# Altium PCB SOM_MCU.PcbDoc (part 1 of 4)
Units mil, origin at the board's own origin, x right, y up, seen from the top; angles counter-clockwise.
Board outline 3385.83 x 1811.02 mil, 4 copper layers (Top Layer, Mid-Layer 1, Mid-Layer 3, Bottom Layer); 107 components, 185 nets, 882 pads, 645 vias.
Unrouted connection lines stored in the file: 5.
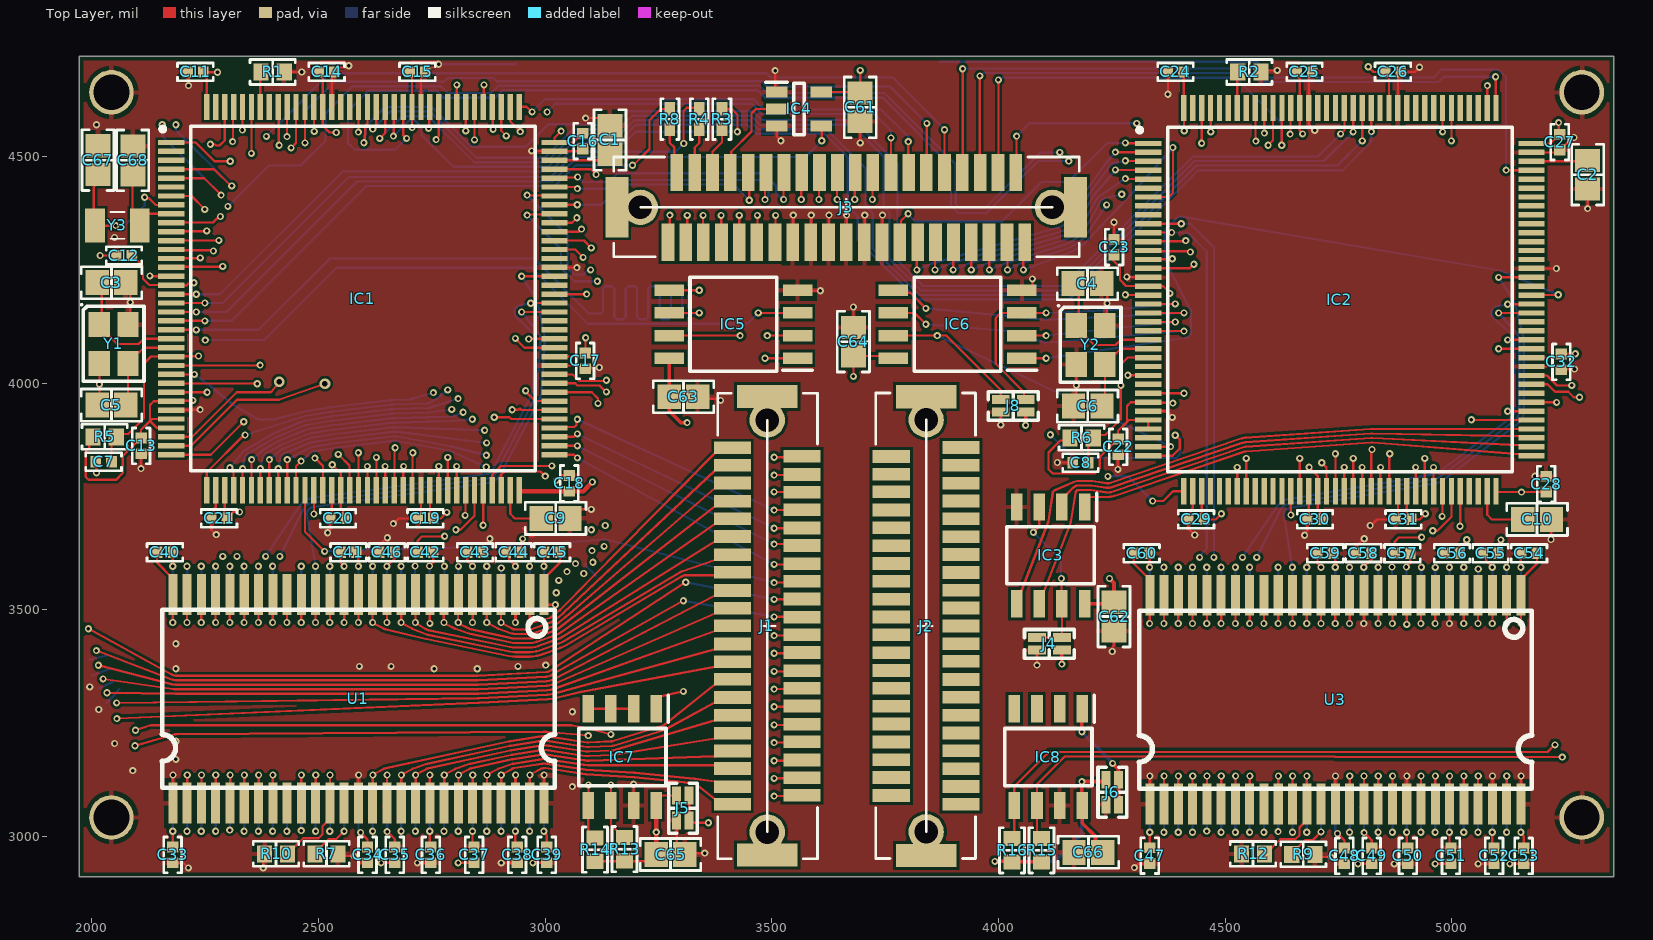
[diagram p0: Top Layer view]
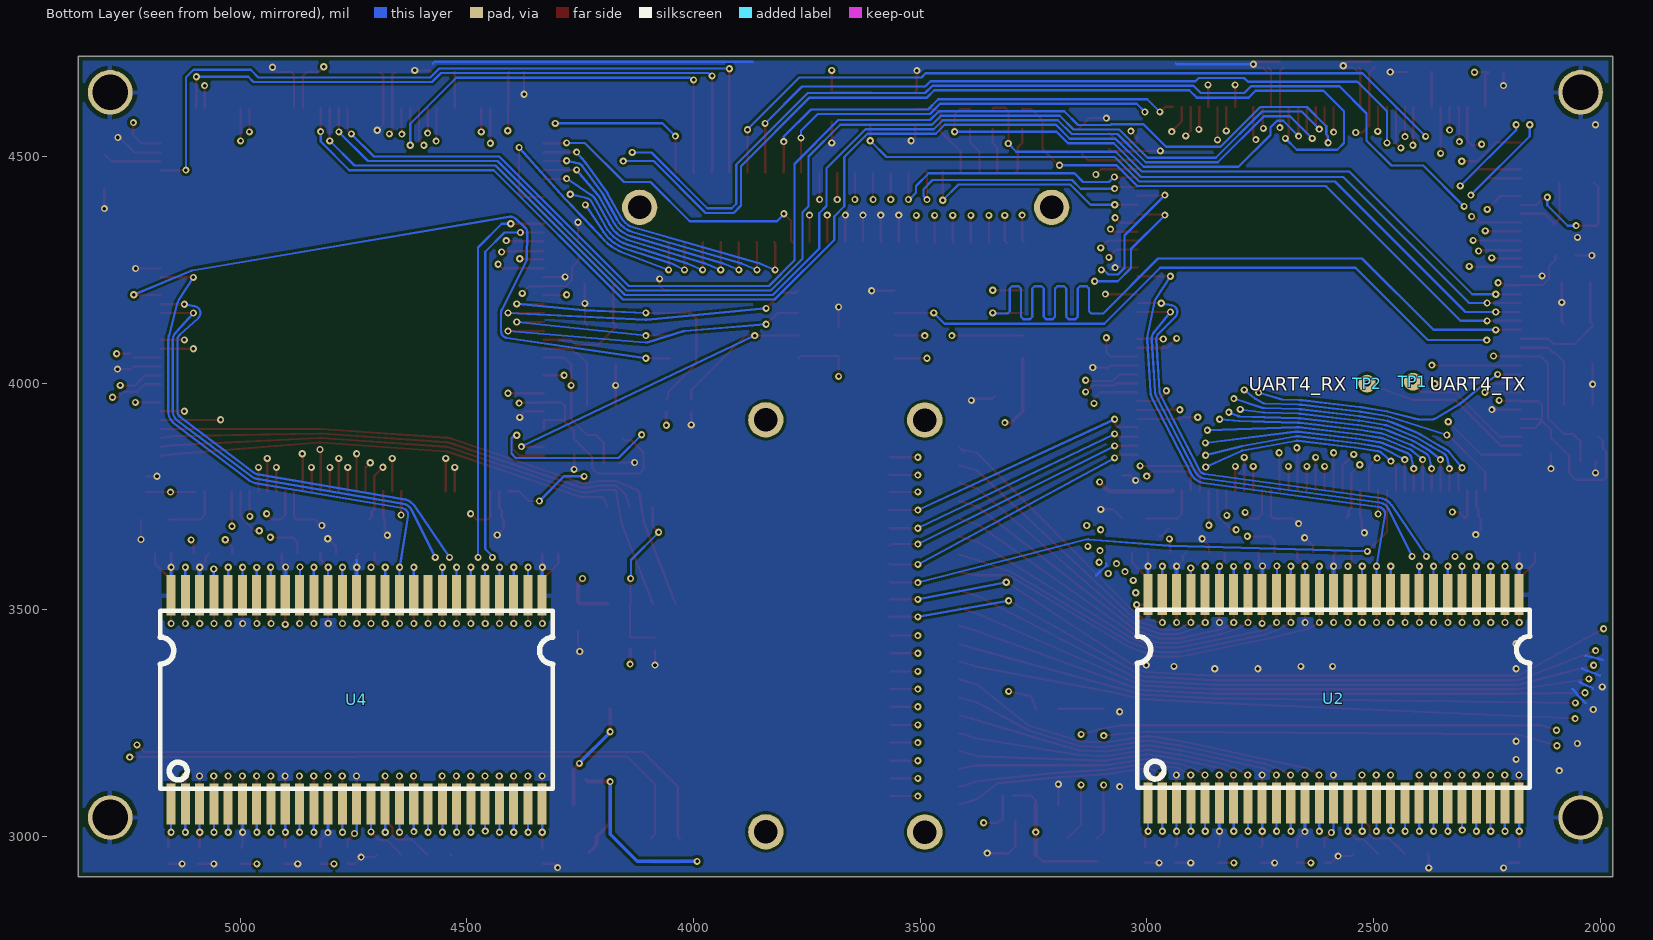
[diagram p1: Bottom Layer view, seen from below]
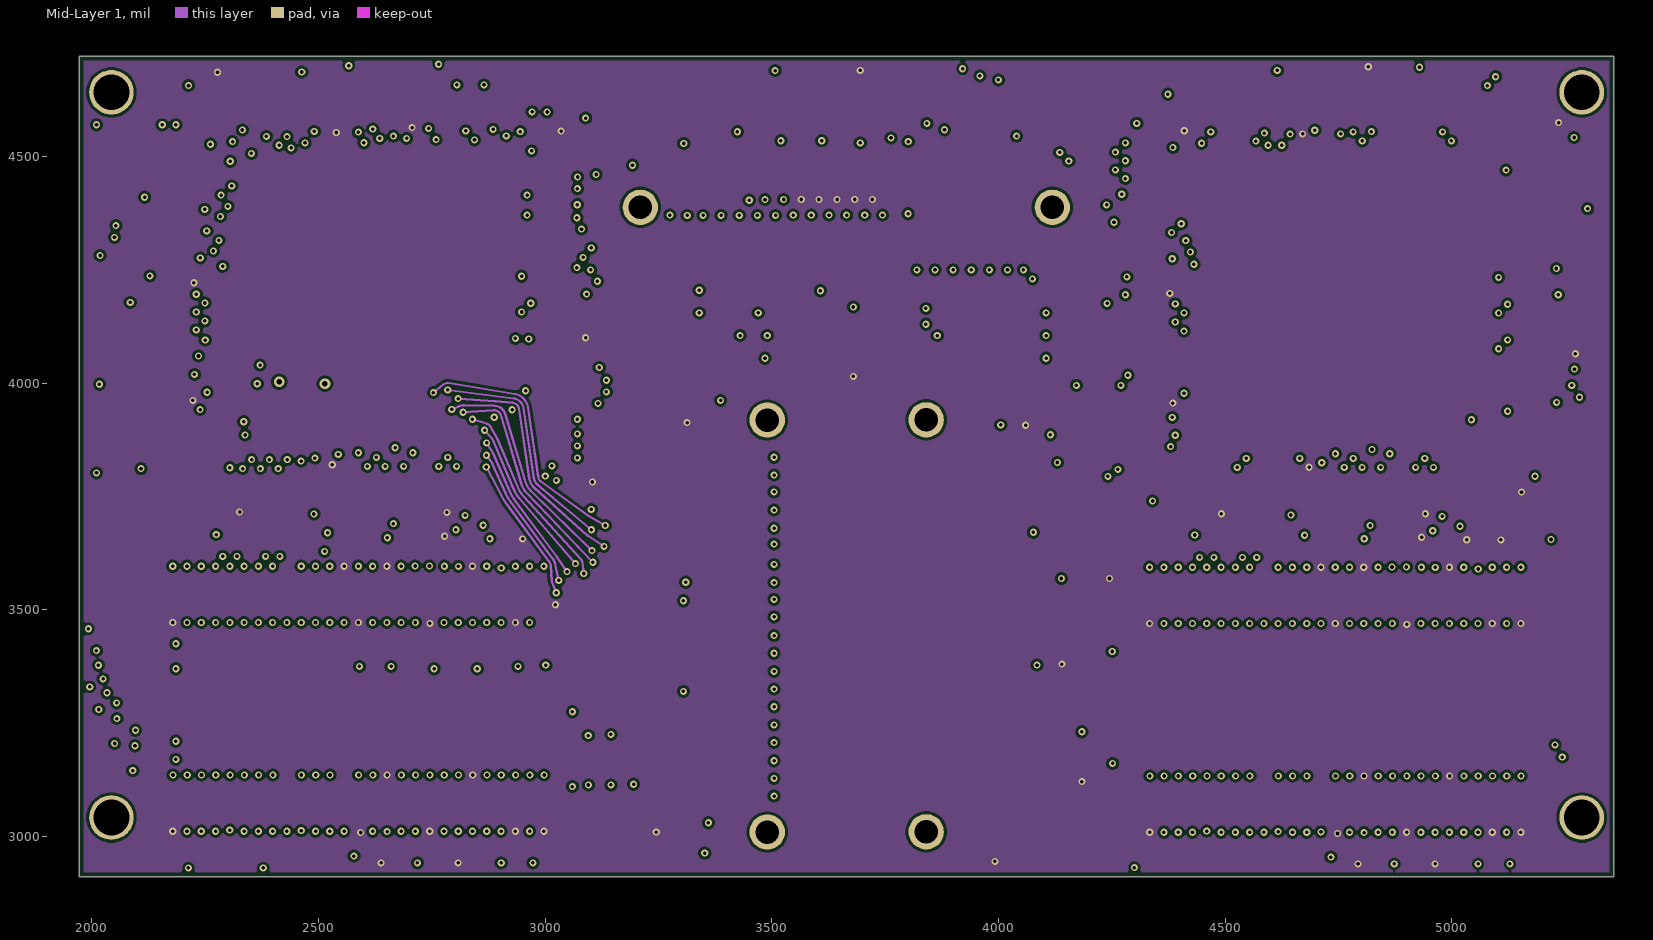
[diagram p2: Mid-Layer 1]
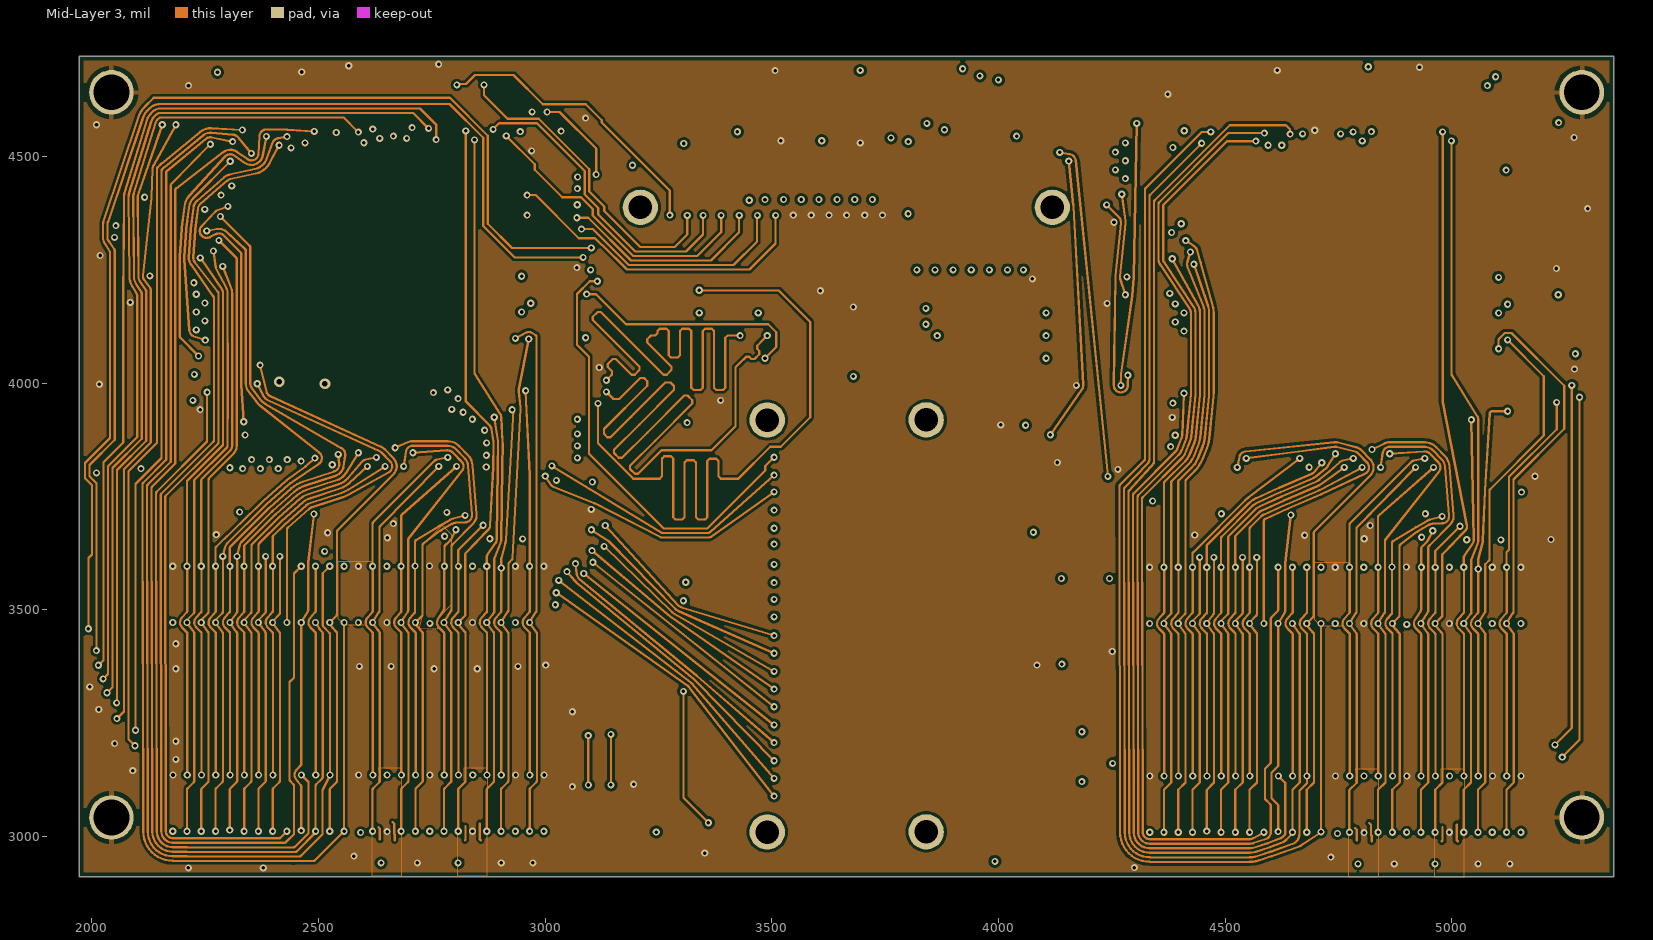
[diagram p3: Mid-Layer 3]
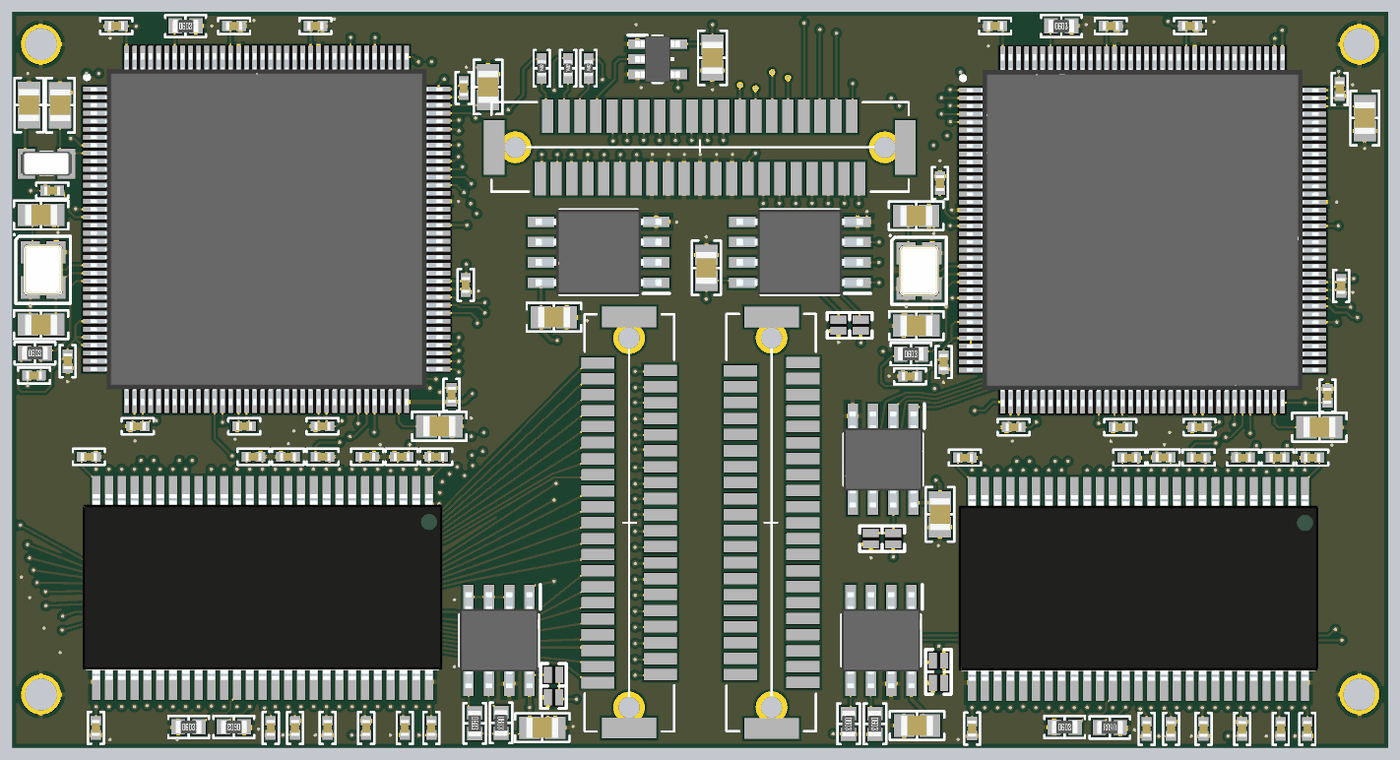
[diagram p7: 3D render of the assembled board from above, using the file's embedded part models]

## Layer stack, top to bottom
Top Solder: solder mask 0.4, Solder Resist, Dk 3.5
Top Layer: signal copper 1.4
Dielectric 1: dielectric 12.6, FR-4, Dk 4.8
Mid-Layer 1: signal copper 1.4
Dielectric3: dielectric 12.6, FR-4, Dk 4.8
Mid-Layer 3: signal copper 1.4
Dielectric2: dielectric 12.6, FR-4, Dk 4.8
Bottom Layer: signal copper 1.4
Bottom Solder: solder mask 0.4, Solder Resist, Dk 3.5

## Board outline
1972.09,2910.59 1972.09,4721.61 5357.91,4721.61 5357.91,2910.59

## Design rules (kind name [scope] priority, off if disabled: settings)
BoardOutlineClearance [All] p1: gap=10 ignorepadtopadclearanceinfootprint=FALSE except(0: Arc-SplitContinuation Track-SplitContinuation SMDPad-SplitContinuation THPad-SplitContinuation Via-SplitContinuation Fill-SplitContinuation Poly-SplitContinuation Region-SplitContinuation Text-SplitContinuation)
Clearance [All] p1: gap=10 ignorepadtopadclearanceinfootprint=TRUE except(5: Arc-Arc Arc-Track Arc-SMDPad Arc-THPad Arc-Via Track-Track Track-SMDPad Track-THPad Track-Via SMDPad-SMDPad SMDPad-THPad SMDPad-Via; 6: Arc-Fill Arc-Poly Arc-Region Track-Fill Track-Poly Track-Region SMDPad-Fill SMDPad-Poly SMDPad-Region THPad-Fill THPad-Poly THPad-Region Via-Fill Via-Poly Via-Region; 7: THPad-Via Text-Text; 7.87: Text-Hole; 8: Arc-Hole Track-Hole SMDPad-Hole; 11: Via-Hole)
ComponentClearance [All] p1 off: gap=10 collisioncheckmode=3 verticalgap=10 showdistances=FALSE
MatchedLengths [InNet(FLASH_D3,FLASH_D2,FLASH_D1,FLASH_D0,FLASH_CLK)] p1: tolerance=393.7 checknetsindiffpair=FALSE checkdiffpairvsdiffpair=TRUE checkxsignals=TRUE checkothers=TRUE
MinimumSolderMaskSliver [All] p1: minsoldermaskwidth=4
PolygonConnect PolygonConnect_2 [All] p1: thpad.connectstyle=Relief thpad.reliefconductorwidth=10 thpad.reliefentries=4 thpad.polygonreliefangle="90 Angle" thpad.airgapwidth=10 smdpad.connectstyle=Relief smdpad.reliefconductorwidth=10 smdpad.reliefentries=4 smdpad.polygonreliefangle="90 Angle" smdpad.airgapwidth=10 via.connectstyle=Direct via.reliefconductorwidth=10 via.reliefentries=4 via.polygonreliefangle="90 Angle" via.airgapwidth=10
PolygonConnect PolygonConnect_1 [All vs InNet('GND')] p2: thpad.connectstyle=Relief thpad.reliefconductorwidth=10 thpad.reliefentries=4 thpad.polygonreliefangle="90 Angle" thpad.airgapwidth=10 smdpad.connectstyle=Relief smdpad.reliefconductorwidth=10 smdpad.reliefentries=4 smdpad.polygonreliefangle="90 Angle" smdpad.airgapwidth=10 via.connectstyle=Direct via.reliefconductorwidth=10 via.reliefentries=4 via.polygonreliefangle="90 Angle" via.airgapwidth=10
PolygonConnect [All vs InNet('+MCU')] p3: thpad.connectstyle=Direct thpad.reliefconductorwidth=10 thpad.reliefentries=4 thpad.polygonreliefangle="90 Angle" thpad.airgapwidth=10 smdpad.connectstyle=Relief smdpad.reliefconductorwidth=10 smdpad.reliefentries=4 smdpad.polygonreliefangle="90 Angle" smdpad.airgapwidth=10 via.connectstyle=Direct via.reliefconductorwidth=10 via.reliefentries=4 via.polygonreliefangle="90 Angle" via.airgapwidth=10
RoutingVias [All] p1: holewidth=7.87 width=15.75 viastyle="Through Hole" minholewidth=7.87 minwidth=15.75 maxholewidth=25 maxwidth=23.62
SilkToSilkClearance [All] p1 off: silktosilkclearance=10
SilkToSolderMaskClearance [IsPad] p1 off: minsilkscreentomaskgap=10 clearancetoexposedcopper=TRUE
SolderMaskExpansion [All] p1: expansion=2 istentingtop=FALSE
Width [All] p1: maxlimit=39.37 minlimit=5 preferedwidth=5
26 further rules are at their usual default settings.

## Classes and differential pairs
net class ADC[1..10]: ADC1 ADC2 ADC3 ADC4 ADC5 ADC6 ADC7 ADC8 ADC9 ADC10
net class D1[0..15]: D10 D11 D12 D13 D14 D15 D16 D17 D18 D19 D110 D111 D112 D113 D114 D115
net class A1[0..11]: A10 A11 A12 A13 A14 A15 A16 A17 A18 A19 A110 A111
net class D[0..15]: D0 D1 D2 D3 D4 D5 D6 D7 D8 D9 D10 D11 D12 D13 D14 D15
net class A[0..11]: A0 A1 A2 A3 A4 A5 A6 A7 A8 A9 A10 A11

## Components (designator, comment, footprint, x,y, rotation, side; value= is the part's Value field where it differs from the comment)
C1 "2.2 µF" "CAP 0805_2012" 3142.91,4536.61 r90 top
C2 "2.2 µF" "CAP 0805_2012" 5300,4460 r270 top
C3 "9pF" "CAP 0805_2012" 2042.91,4221.61 r180 top
C4 "9pF" "CAP 0805_2012" 4196.32,4219.43 r180 top
C5 "9pF" "CAP 0805_2012" 2042.91,3951.61 r0 top
C6 "9pF" "CAP 0805_2012" 4196.78,3949.49 r0 top
C7 "0.1µF" "CAP 0402_1005" 2025.59,3826.61 r0 top
C8 "0.1µF" "CAP 0402_1005" 4181.1,3824.37 r0 top
C9 "2.2 µF" "CAP 0805_2012" 3022.91,3701.61 r180 top
C10 "2.2 µF" "CAP 0805_2012" 5188.43,3699.37 r180 top
C11 "0.1µF" "CAP 0402_1005" 2227.91,4686.61 r180 top
C12 "0.1µF" "CAP 0402_1005" 2070.59,4281.61 r180 top
C13 "0.1µF" "CAP 0402_1005" 2108.36,3861.89 r270 top
C14 "0.1µF" "CAP 0402_1005" 2517.91,4686.61 r0 top
C15 "0.1µF" "CAP 0402_1005" 2717.91,4686.61 r0 top
C16 "0.1µF" "CAP 0402_1005" 3082.91,4533.94 r270 top
C17 "0.1µF" "CAP 0402_1005" 3087.91,4049.29 r270 top
C18 "0.1µF" "CAP 0402_1005" 3052.91,3778.94 r90 top
C19 "0.1µF" "CAP 0402_1005" 2735.49,3701.61 r180 top
C20 "0.1µF" "CAP 0402_1005" 2542.91,3701.61 r180 top
C21 "0.1µF" "CAP 0402_1005" 2280.59,3701.61 r180 top
C22 "0.1µF" "CAP 0402_1005" 4263.87,3859.65 r270 top
C23 "0.1µF" "CAP 0402_1005" 4255,4300 r90 top
C24 "0.1µF" "CAP 0402_1005" 4390.59,4686.61 r180 top
C25 "0.1µF" "CAP 0402_1005" 4675.24,4686.61 r0 top
C26 "0.1µF" "CAP 0402_1005" 4870.24,4686.61 r0 top
C27 "0.1µF" "CAP 0402_1005" 5238.43,4531.69 r270 top
C28 "0.1µF" "CAP 0402_1005" 5208.43,3777.05 r90 top
C29 "0.1µF" "CAP 0402_1005" 4436.1,3699.37 r180 top
C30 "0.1µF" "CAP 0402_1005" 4698.43,3699.37 r180 top
C31 "0.1µF" "CAP 0402_1005" 4893.43,3699.37 r180 top
C32 "0.1µF" "CAP 0402_1005" 5242.05,4046.96 r270 top
C33 "0.1µF" "CAP 0402_1005" 2177.91,2959.29 r270 top
C34 "0.1µF" "CAP 0402_1005" 2607.91,2959.29 r270 top
C35 "0.1µF" "CAP 0402_1005" 2667.91,2959.29 r90 top
C36 "0.1µF" "CAP 0402_1005" 2747.91,2959.29 r270 top
C37 "0.1µF" "CAP 0402_1005" 2842.91,2959.29 r90 top
C38 "0.1µF" "CAP 0402_1005" 2937.91,2959.29 r270 top
C39 "0.1µF" "CAP 0402_1005" 3003.31,2959.29 r270 top
C40 "0.1µF" "CAP 0402_1005" 2160.59,3626.61 r0 top
C41 "0.1µF" "CAP 0402_1005" 2565.59,3626.61 r0 top
C42 "0.1µF" "CAP 0402_1005" 2735.59,3626.61 r0 top
C43 "0.1µF" "CAP 0402_1005" 2845.24,3626.61 r0 top
C44 "0.1µF" "CAP 0402_1005" 2930.24,3626.61 r180 top
C45 "0.1µF" "CAP 0402_1005" 3015.24,3626.61 r180 top
C46 "0.1µF" "CAP 0402_1005" 2650.59,3626.61 r180 top
C47 "0.1µF" "CAP 0402_1005" 4333.85,2957.47 r270 top
C48 "0.1µF" "CAP 0402_1005" 4763.43,2957.05 r270 top
C49 "0.1µF" "CAP 0402_1005" 4823.43,2957.05 r90 top
C50 "0.1µF" "CAP 0402_1005" 4903.43,2957.05 r270 top
C51 "0.1µF" "CAP 0402_1005" 4998.43,2957.05 r90 top
C52 "0.1µF" "CAP 0402_1005" 5093.43,2957.05 r270 top
C53 "0.1µF" "CAP 0402_1005" 5158.82,2957.05 r270 top
C54 "0.1µF" "CAP 0402_1005" 5170.75,3624.37 r180 top
C55 "0.1µF" "CAP 0402_1005" 5085.75,3624.37 r180 top
C56 "0.1µF" "CAP 0402_1005" 5000.75,3624.37 r180 top
C57 "0.1µF" "CAP 0402_1005" 4891.1,3624.37 r0 top
C58 "0.1µF" "CAP 0402_1005" 4805,3625 r180 top
C59 "0.1µF" "CAP 0402_1005" 4721.04,3624.37 r0 top
C60 "0.1µF" "CAP 0402_1005" 4316.1,3624.37 r0 top
C61 "10 µF" "CAP 0805_2012" 3695,4608.5 r90 top
C62 "10 µF" "CAP 0805_2012" 4255,3485 r90 top
C63 "10 µF" "CAP 0805_2012" 3305,3970 r180 top
C64 "10 µF" "CAP 0805_2012" 3680,4091.5 r270 top
C65 "10 µF" "CAP 0805_2012" 3276.5,2960 r180 top
C66 "10 µF" "CAP 0805_2012" 4198.5,2965 r0 top
C67 "7 pF" "CAP 0805_2012" 2013.27,4492.14 r270 top
C68 "7 pF" "CAP 0805_2012" 2090,4491.5 r270 top
IC1 "STM32H743ZIT6U" QFP50P2200X2200X160-144N 2597.91,4186.61 r0 top
IC2 "STM32H743ZIT6U" QFP50P2200X2200X160-144N 4753.43,4184.37 r0 top
IC3 "LY68L6400SLIT" SOIC127P600X175-8N 4115,3620 r270 top
IC4 "SN74LVC1G125DBVR" SOT95P280X145-5N 3560,4605 r0 top
IC5 "N25Q128A13ESE40F" SOIC127P790X216-8N 3415,4130 r180 top
IC6 "N25Q128A13ESE40F" SOIC127P790X216-8N 3910,4130 r180 top
IC7 "AT24C128BN-SH-B" SOIC127P600X175-8N 3170,3175 r270 top
IC8 "AT24C128BN-SH-B" SOIC127P600X175-8N 4110,3175 r270 top
J1 "DF9-41P-1V_32_" HIROSE_DF9-41P-1V(32) 3412.91,3070.61 r270 top
J2 "DF9-41P-1V_32_" HIROSE_DF9-41P-1V(32) 3917.58,3858.12 r90 top
J3 "DF9-41P-1V_32_" HIROSE_DF9-41P-1V(32) 4058,4311 r0 top
J4 "" "CON: JUMPER x2" 4085,3425 r270 top
J5 "" "CON: JUMPER x2" 3303.78,3034.88 r0 top
J6 "" "CON: JUMPER x2" 4251.22,3069.88 r0 top
J8 "" "CON: JUMPER x2" 4005,3950 r270 top
R1 "10 kOhms" "RES 0603_1608" 2398.5,4686.61 r0 top
R2 "10 kOhms" "RES 0603_1608" 4553.5,4686.61 r0 top
R3 "100 Ohms" "RES 0402_1005" 3390,4582.64 r90 top
R4 "100 Ohms" "RES 0402_1005" 3340,4582.64 r90 top
R5 "10 kOhms" "RES 0603_1608" 2027.91,3881.61 r0 top
R6 "10 kOhms" "RES 0603_1608" 4183.43,3879.37 r0 top
R7 "10 kOhms" "RES 0603_1608" 2517.32,2961.61 r180 top
R8 "100 Ohms" "RES 0402_1005" 3275,4582.64 r90 top
R9 "10 kOhms" "RES 0603_1608" 4672.83,2960.35 r180 top
R10 "10 kOhms" "RES 0603_1608" 2406.14,2961.61 r0 top
R12 "10 kOhms" "RES 0603_1608" 4561.65,2961.34 r0 top
R13 "5.6 kOhms" "RES 0603_1608" 3175,2971.81 r270 top
R14 "5.6 kOhms" "RES 0603_1608" 3110,2970.59 r270 top
R15 "5.6 kOhms" "RES 0603_1608" 4095,2969.41 r270 top
R16 "5.6 kOhms" "RES 0603_1608" 4030,2969.41 r270 top
TP1 "UART4_TX" TESTPOINT_VIA#1 2413,4003 r90 bottom
TP2 "UART4_RX" TESTPOINT_VIA#2 2514,3999 r90 bottom
U1 "W9812G6KH-6" TSOP-54 2587.91,3303.7 r180 top
U2 "W9812G6KH-6" TSOP-54 2587.91,3303.7 r180 bottom
U3 "W9812G6KH-6" TSOP-54 4743.37,3301.52 r180 top
U4 "W9812G6KH-6" TSOP-54 4743.37,3301.52 r180 bottom
Y1 "24MHz" "NDK NX3225SA" 2047.91,4086.61 r270 top
Y2 "24MHz" "NDK NX3225SA" 4203.43,4084.37 r270 top
Y3 "ABS07-32.768KHZ-7-T" ABS07 2056,4348 r180 top

## Footprints (in the part's own frame and the unit in brackets; to place one, negate y for a bottom-side part, rotate by r counter-clockwise, add the part's x,y. Pads: shape width x height; smd on the part's side, far side on the other; paste and mask are expansions set on the pad)
ABS07 [mm]
  rect 1.1x1.9 smd: 1(-1.25,0) 2(1.25,0)
  silkscreen extent -0.4,-0.75 0.4,0.75, body extent -1.6,-0.75 1.6,0.75, height 0.9
"CAP 0402_1005" [mm] "Chip Capacitor, 2-Leads, Body 1.02x0.51mm, IPC Medium Density"
  rect 0.6x0.64 smd: 1(-0.44,0) 2(0.44,0)
  silkscreen extent -1,-0.5 1,0.5, body extent -0.5,-0.26 0.5,0.26, height 0.52
"CAP 0805_2012" [mm] "Chip Capacitor, 2-Leads, Body 2.00x1.20mm, IPC Medium Density"
  rect 1.3x1.4 smd: 1(-0.8,0) 2(0.8,0)
  silkscreen extent -1.7,-0.9 1.7,0.9, body extent -1,-0.64 1,0.64, height 1.26
"CON: JUMPER x2" [mm]
  rect 0.5x1 smd mask+0.102: 1(-0.35,1.4) 2(0.35,1.4) 3(-0.35,0) 4(0.35,0)
  silkscreen extent -0.8,-0.7 0.8,2.1
HIROSE_DF9-41P-1V(32) [mil]
  rect 28x82 smd: 1(0,0) 2(-20,154) 3(-39,0) 4(-59,154) 5(-79,0) 6(-98,154) 7(-118,0) 8(-138,154) 9(-157,0) 10(-177,154) 11(-197,0) 12(-217,154) 13(-236,0) 14(-256,154) 15(-276,0) 16(-295,154) 17(-315,0) 18(-335,154) 19(-354,0) 20(-374,154) 21(-394,0) 22(-413,154) 23(-433,0) 24(-453,154) 25(-472,0) 26(-492,154) 27(-512,0) 28(-531,154) 29(-551,0) 30(-571,154) 31(-591,0) 32(-610,154) 33(-630,0) 34(-650,154) 35(-669,0) 36(-689,154) 37(-709,0) 38(-728,154) 39(-748,0) 40(-768,154) 41(-787,0)
  round 78 hole 52: 42(-848,77) 43(61,77)
  rect 51x134 smd: 44(-900,77) 45(112,77)
  silkscreen extent -907,-32 120,188, body extent -921,-2 134,156, height 134
"NDK NX3225SA" [mm] "Crystal, 4-Leads, Body 2.50x3.20mm, Pitch 2.20mm, IPC Medium Density"
  rect 1.4x1.2 smd: 1(-1.1,-0.8) 2(1.1,-0.8) 3(1.1,0.8) 4(-1.1,0.8)
  silkscreen extent -2.25,-1.85 2.1,1.7, body extent -1.61,-1.26 1.61,1.26, height 0.6
QFP50P2200X2200X160-144N [mm]
  rect 1.475x0.3 smd mask+0.102: 1(-10.738,8.75) 2(-10.738,8.25) 3(-10.738,7.75) 4(-10.738,7.25) 5(-10.738,6.75) 6(-10.738,6.25) 7(-10.738,5.75) 8(-10.738,5.25) 9(-10.738,4.75) 10(-10.738,4.25) 11(-10.738,3.75) 12(-10.738,3.25) 13(-10.738,2.75) 14(-10.738,2.25) 15(-10.738,1.75) 16(-10.738,1.25) 17(-10.738,0.75) 18(-10.738,0.25) 19(-10.738,-0.25) 20(-10.738,-0.75) 21(-10.738,-1.25) 22(-10.738,-1.75) 23(-10.738,-2.25) 24(-10.738,-2.75) 25(-10.738,-3.25) 26(-10.738,-3.75) 27(-10.738,-4.25) 28(-10.738,-4.75) 29(-10.738,-5.25) 30(-10.738,-5.75) 31(-10.738,-6.25) 32(-10.738,-6.75) 33(-10.738,-7.25) 34(-10.738,-7.75) 35(-10.738,-8.25) 36(-10.738,-8.75) 73(10.738,-8.75) 74(10.738,-8.25) 75(10.738,-7.75) 76(10.738,-7.25) 77(10.738,-6.75) 78(10.738,-6.25) 79(10.738,-5.75) 80(10.738,-5.25) 81(10.738,-4.75) 82(10.738,-4.25) 83(10.738,-3.75) 84(10.738,-3.25) 85(10.738,-2.75) 86(10.738,-2.25) 87(10.738,-1.75) 88(10.738,-1.25) 89(10.738,-0.75) 90(10.738,-0.25) 91(10.738,0.25) 92(10.738,0.75) 93(10.738,1.25) 94(10.738,1.75) 95(10.738,2.25) 96(10.738,2.75) 97(10.738,3.25) 98(10.738,3.75) 99(10.738,4.25) 100(10.738,4.75) 101(10.738,5.25) 102(10.738,5.75) 103(10.738,6.25) 104(10.738,6.75) 105(10.738,7.25) 106(10.738,7.75) 107(10.738,8.25) 108(10.738,8.75)
  rect 0.3x1.475 smd mask+0.102: 37(-8.75,-10.738) 38(-8.25,-10.738) 39(-7.75,-10.738) 40(-7.25,-10.738) 41(-6.75,-10.738) 42(-6.25,-10.738) 43(-5.75,-10.738) 44(-5.25,-10.738) 45(-4.75,-10.738) 46(-4.25,-10.738) 47(-3.75,-10.738) 48(-3.25,-10.738) 49(-2.75,-10.738) 50(-2.25,-10.738) 51(-1.75,-10.738) 52(-1.25,-10.738) 53(-0.75,-10.738) 54(-0.25,-10.738) 55(0.25,-10.738) 56(0.75,-10.738) 57(1.25,-10.738) 58(1.75,-10.738) 59(2.25,-10.738) 60(2.75,-10.738) 61(3.25,-10.738) 62(3.75,-10.738) 63(4.25,-10.738) 64(4.75,-10.738) 65(5.25,-10.738) 66(5.75,-10.738) 67(6.25,-10.738) 68(6.75,-10.738) 69(7.25,-10.738) 70(7.75,-10.738) 71(8.25,-10.738) 72(8.75,-10.738) 109(8.75,10.738) 110(8.25,10.738) 111(7.75,10.738) 112(7.25,10.738) 113(6.75,10.738) 114(6.25,10.738) 115(5.75,10.738) 116(5.25,10.738) 117(4.75,10.738) 118(4.25,10.738) 119(3.75,10.738) 120(3.25,10.738) 121(2.75,10.738) 122(2.25,10.738) 123(1.75,10.738) 124(1.25,10.738) 125(0.75,10.738) 126(0.25,10.738) 127(-0.25,10.738) 128(-0.75,10.738) 129(-1.25,10.738) 130(-1.75,10.738) 131(-2.25,10.738) 132(-2.75,10.738) 133(-3.25,10.738) 134(-3.75,10.738) 135(-4.25,10.738) 136(-4.75,10.738) 137(-5.25,10.738) 138(-5.75,10.738) 139(-6.25,10.738) 140(-6.75,10.738) 141(-7.25,10.738) 142(-7.75,10.738) 143(-8.25,10.738) 144(-8.75,10.738)